# Altium PCB RUMBA32.PcbDoc (part 1 of 3)
Units mm, origin at the board's own origin, x right, y up, seen from the top; angles counter-clockwise.
Board outline 135 x 75 mm, 4 copper layers (Component Side, Ground Plane, Power Plane, Solder Side), stack 0.844 mm thick; 268 components, 214 nets, 1103 pads, 236 vias.
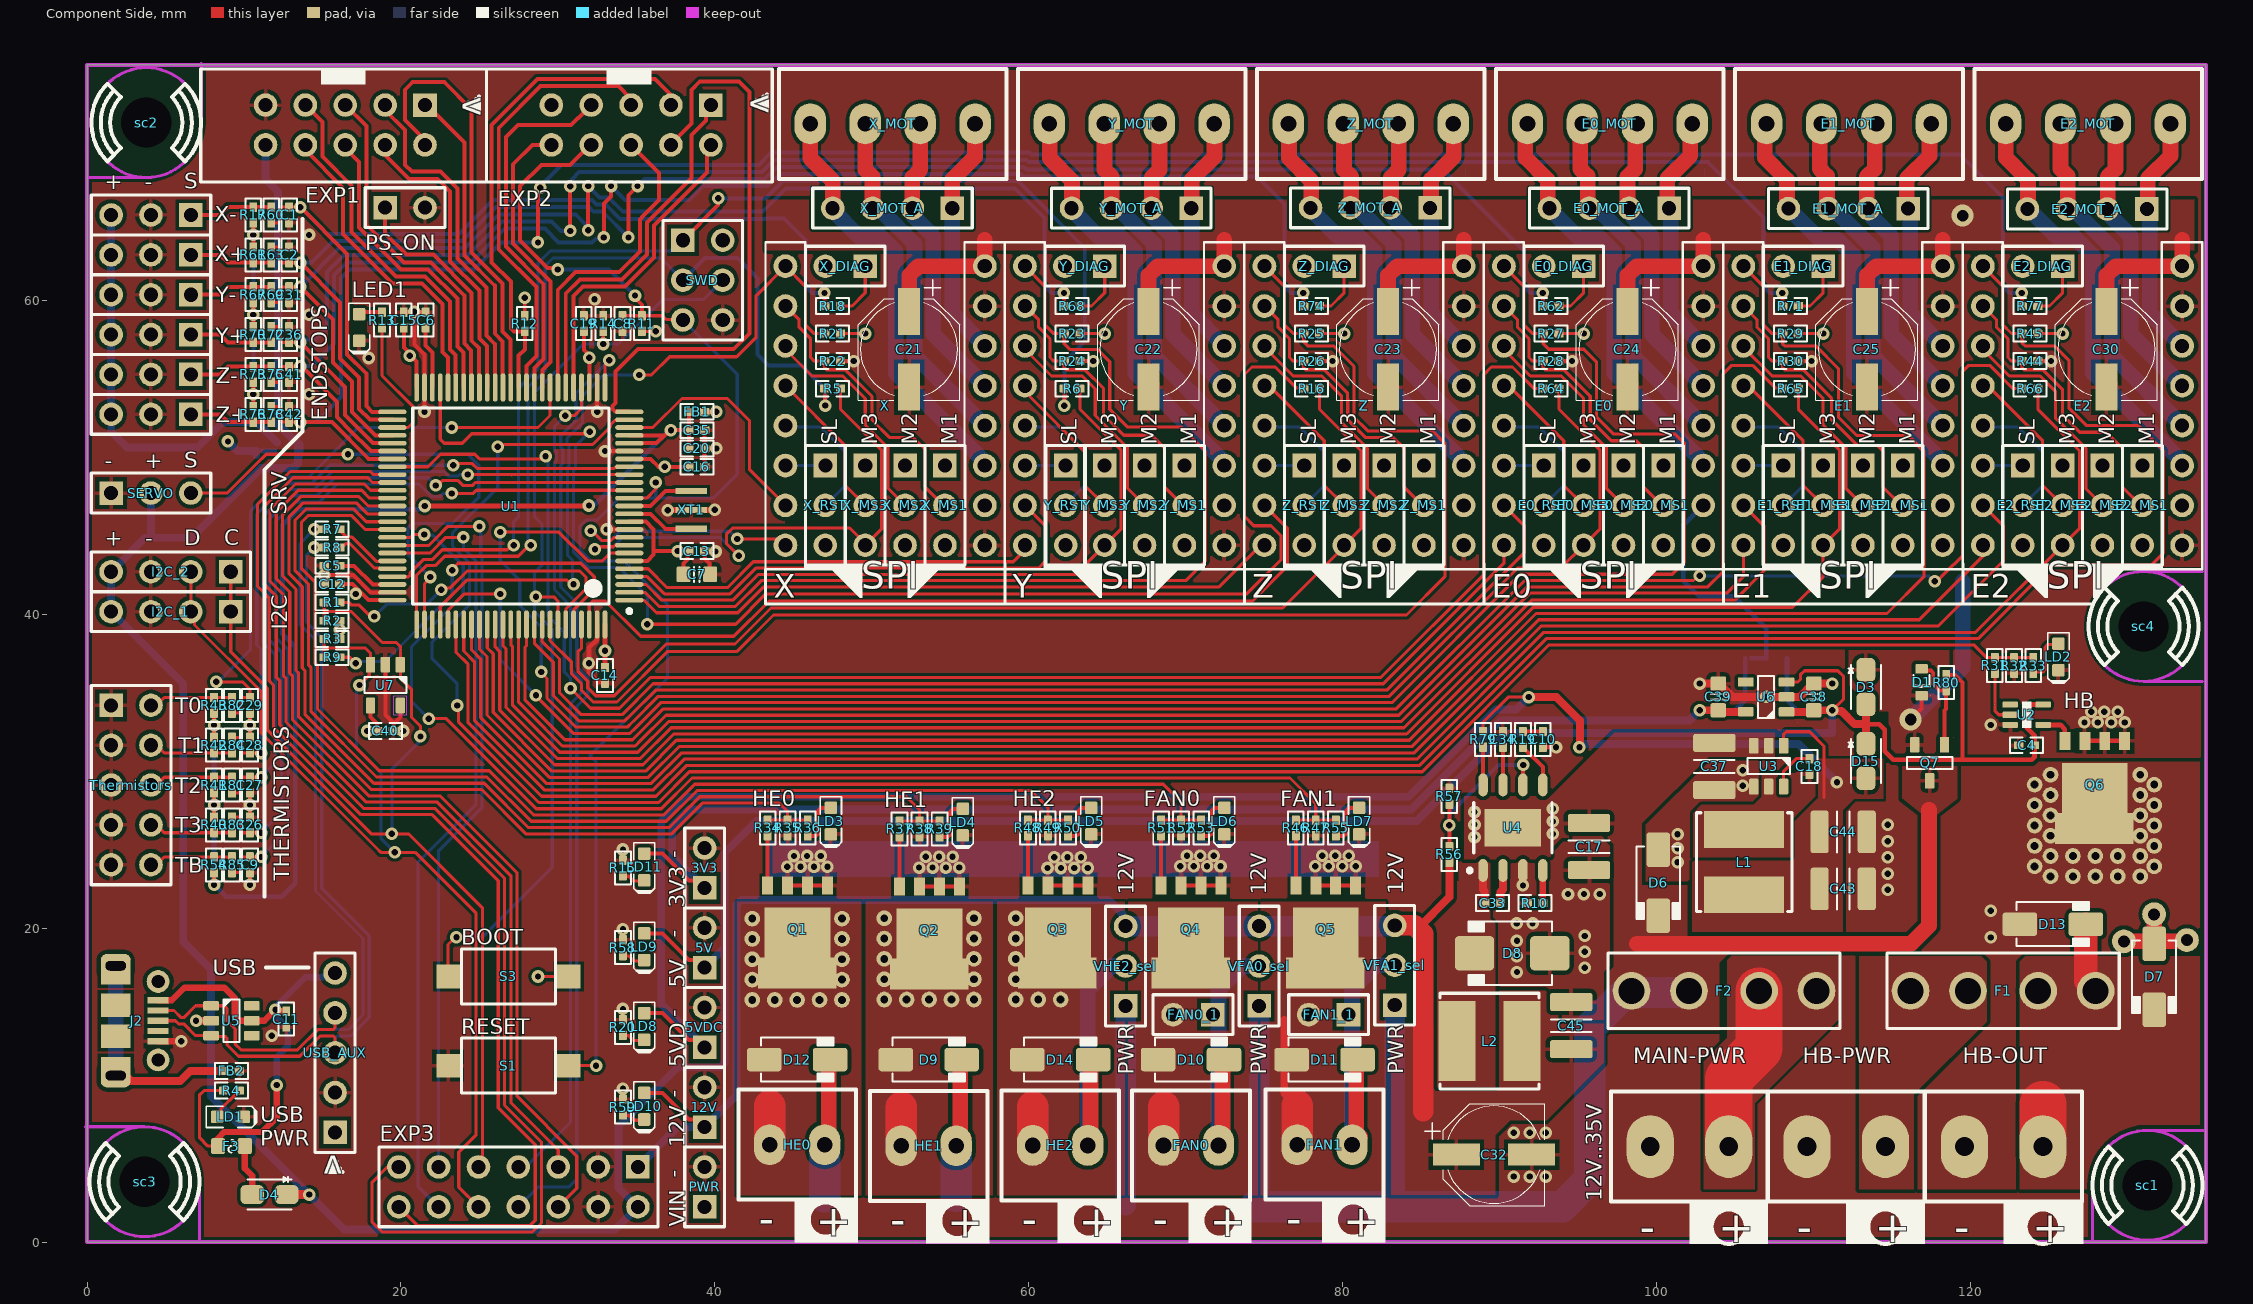
[diagram p0: Component Side view]
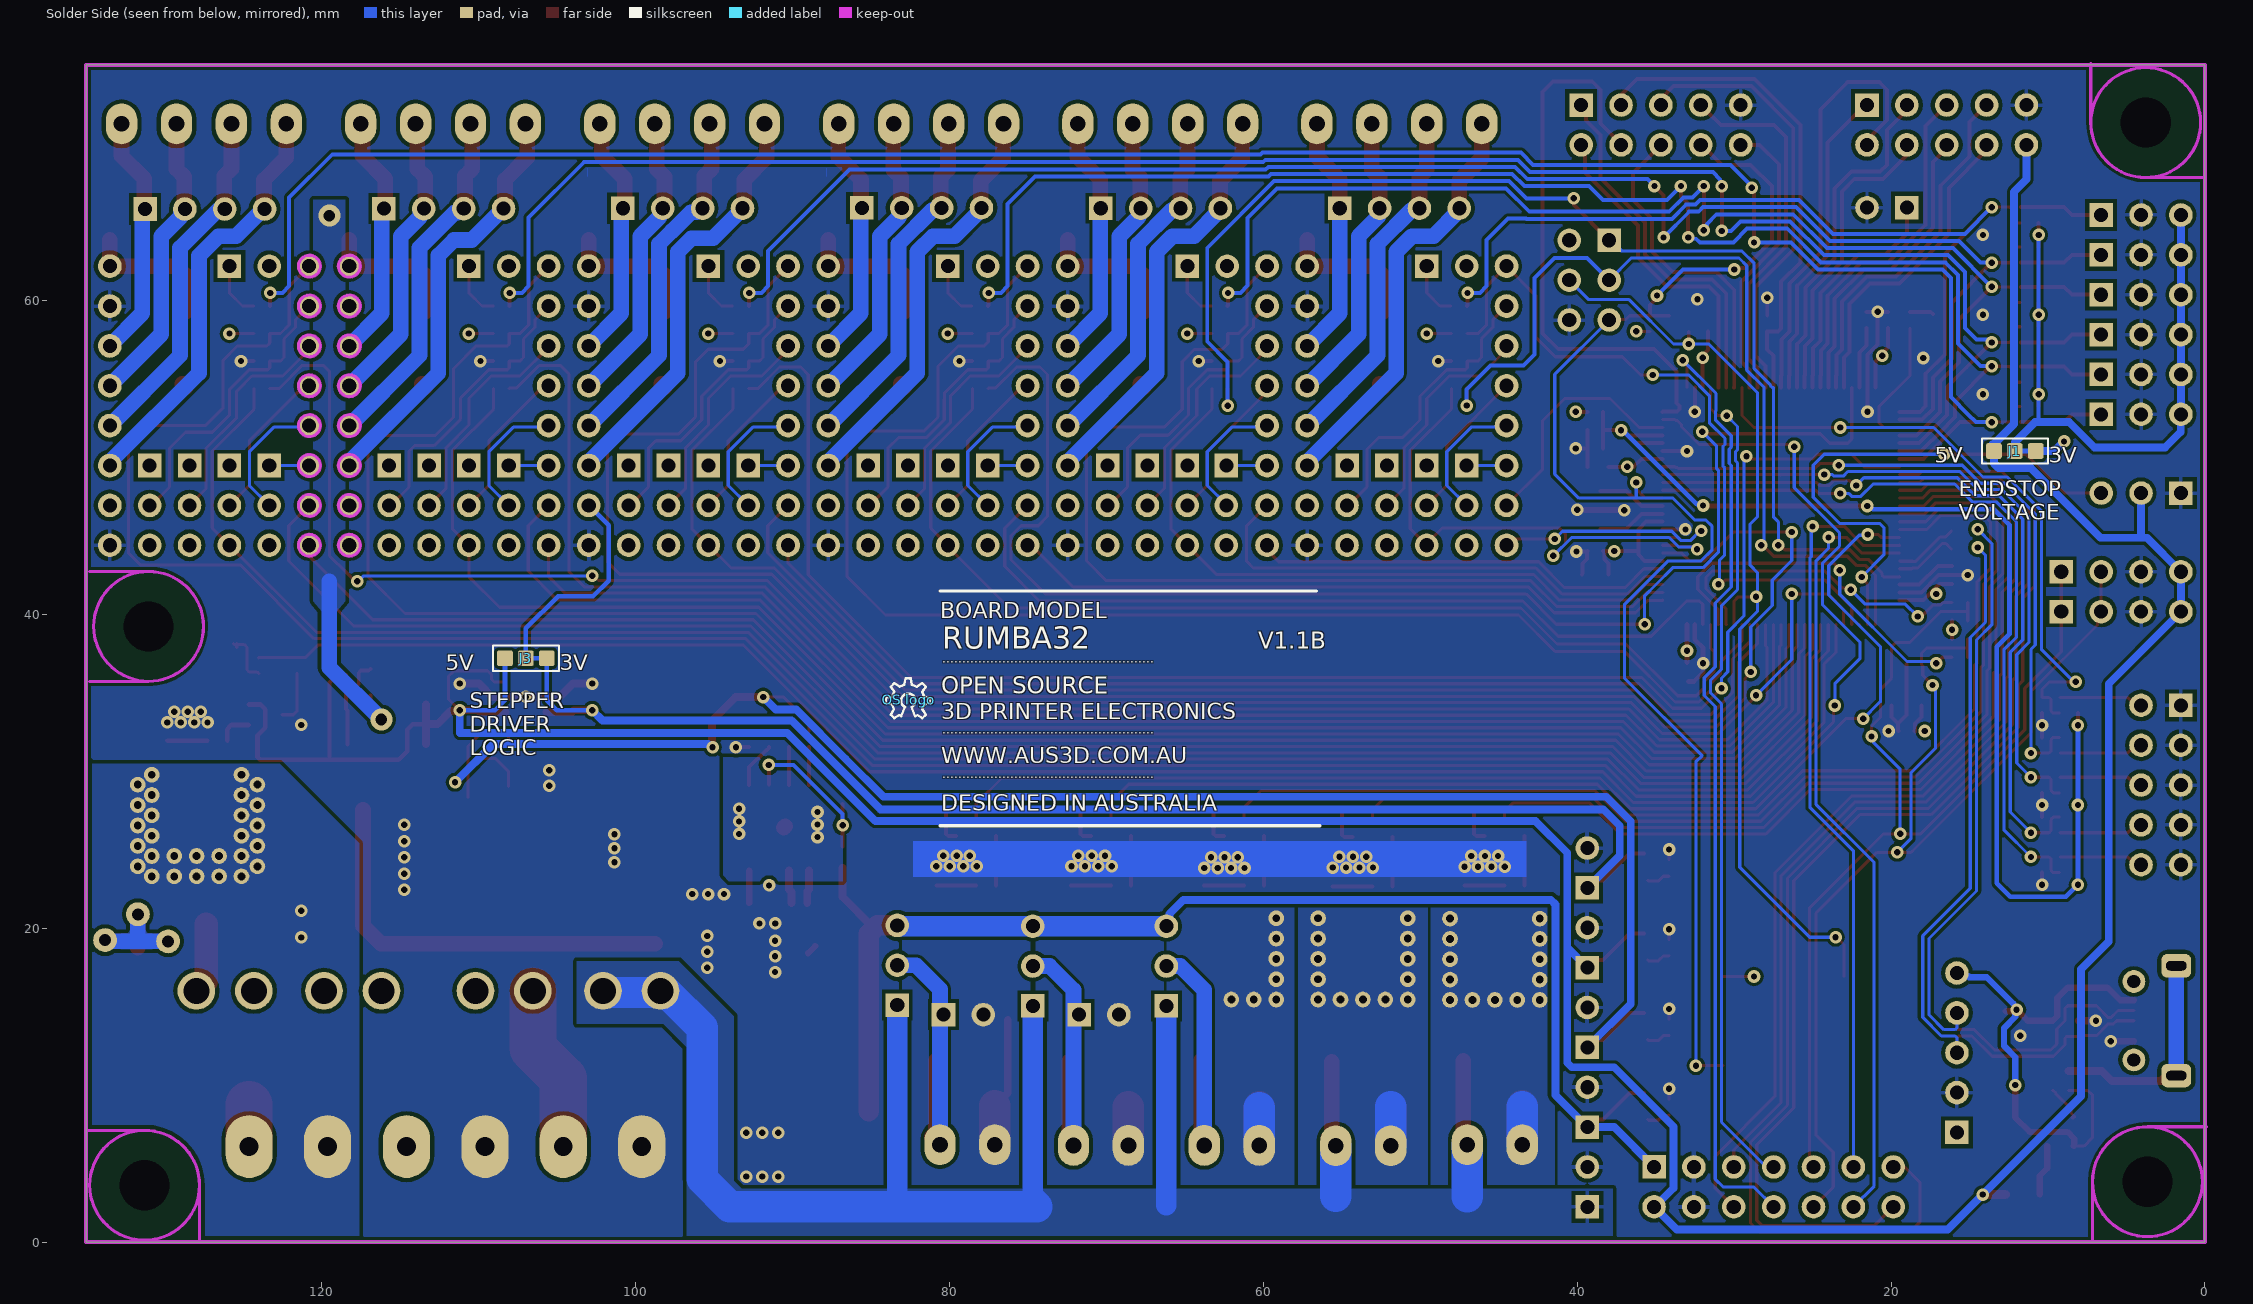
[diagram p1: Solder Side view, seen from below]
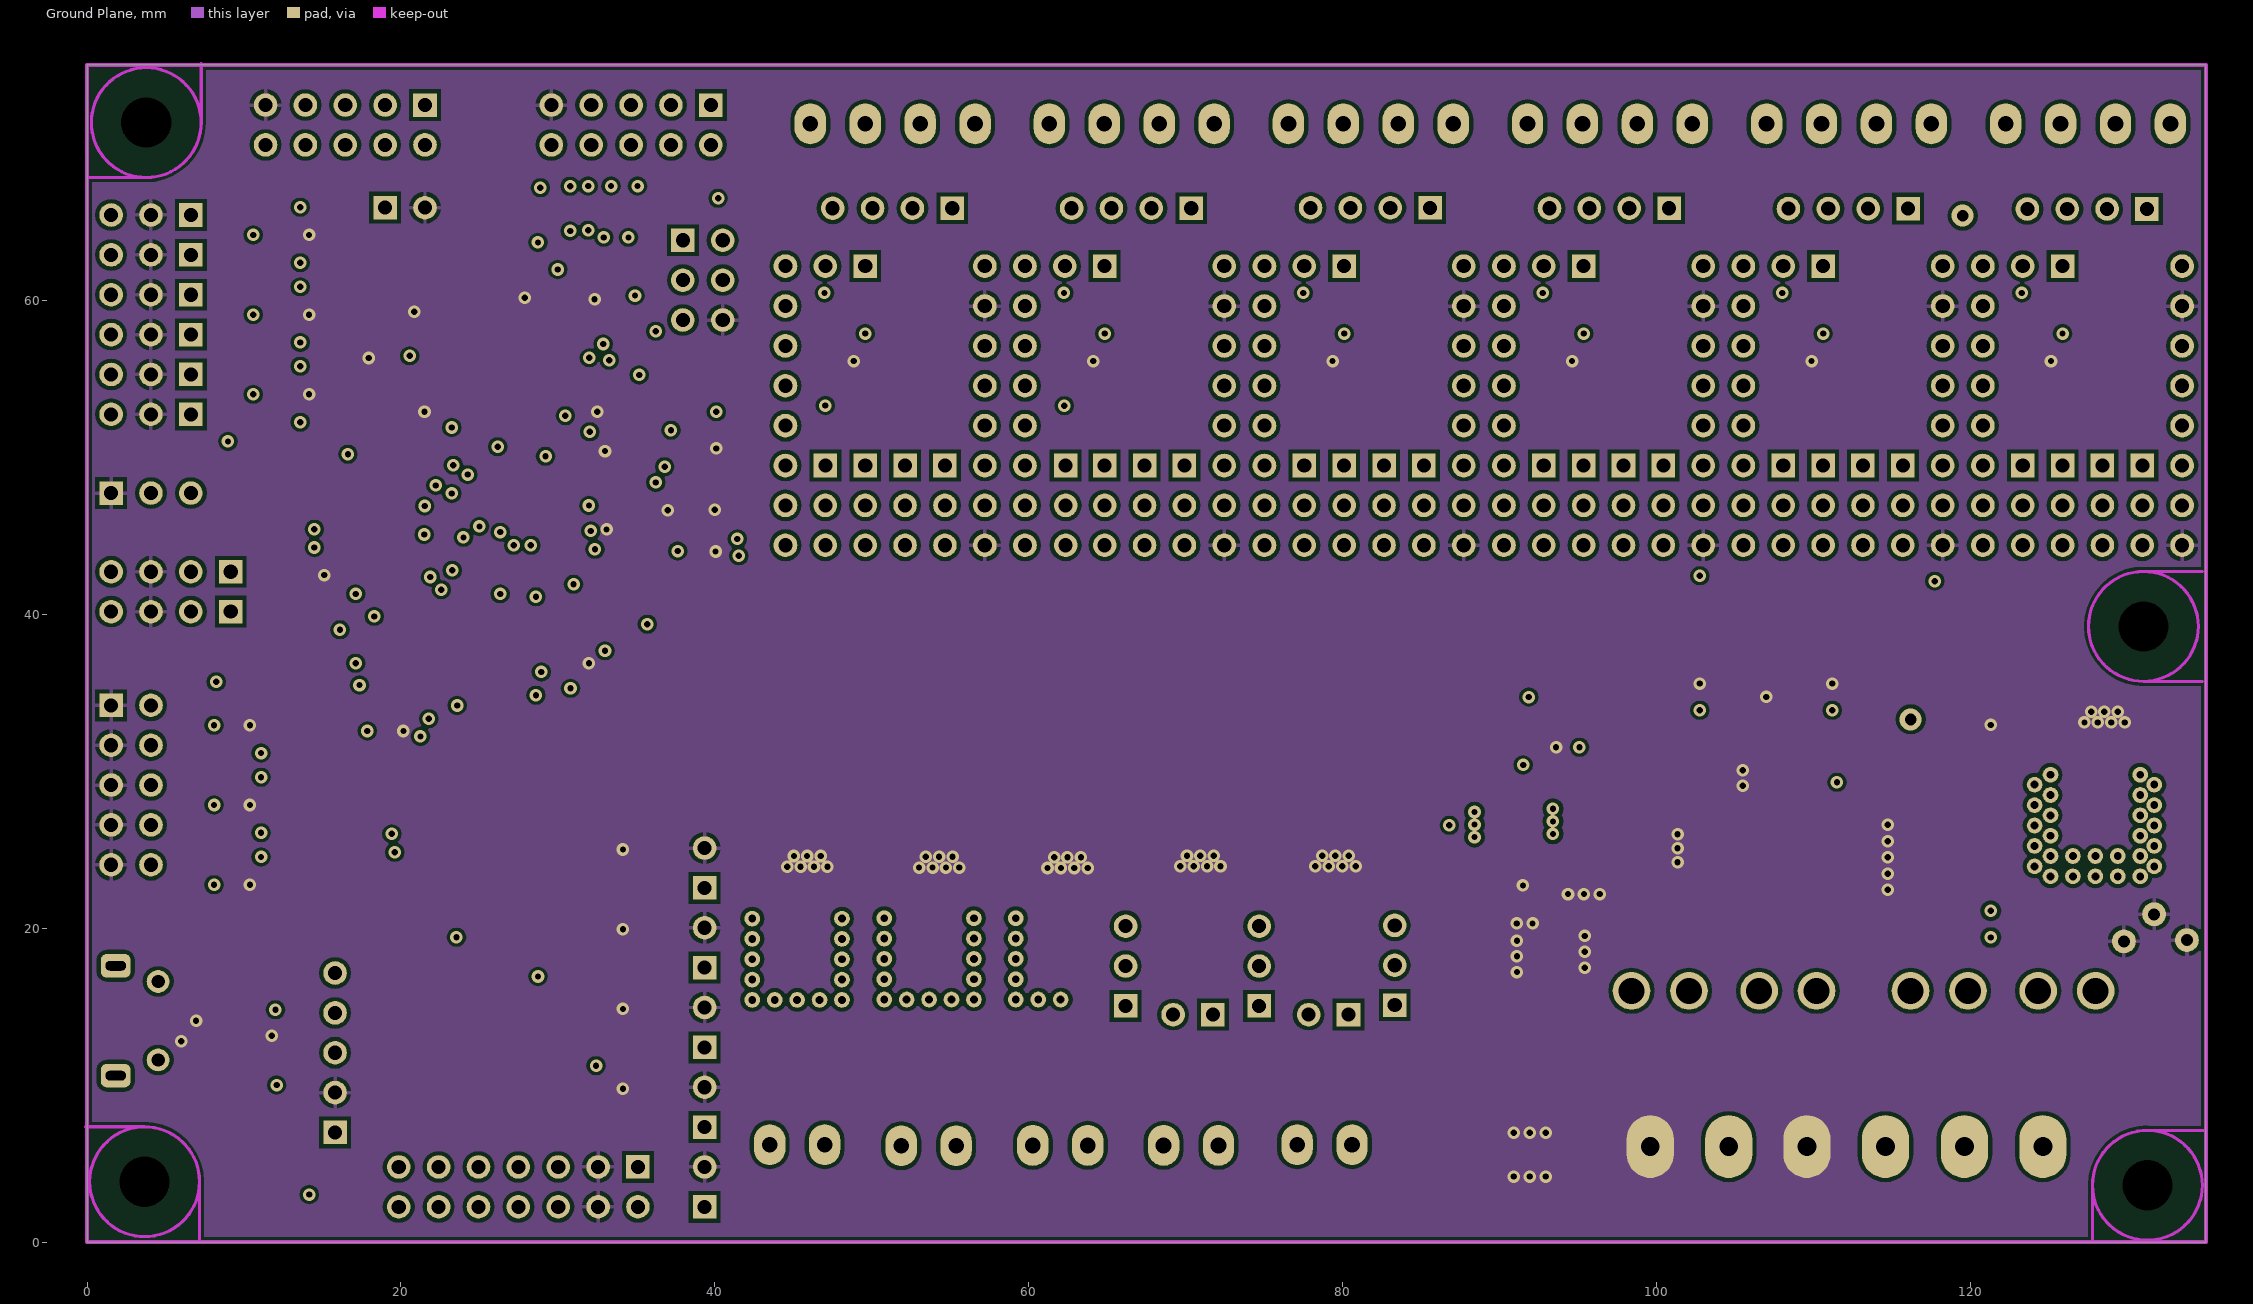
[diagram p2: Ground Plane]
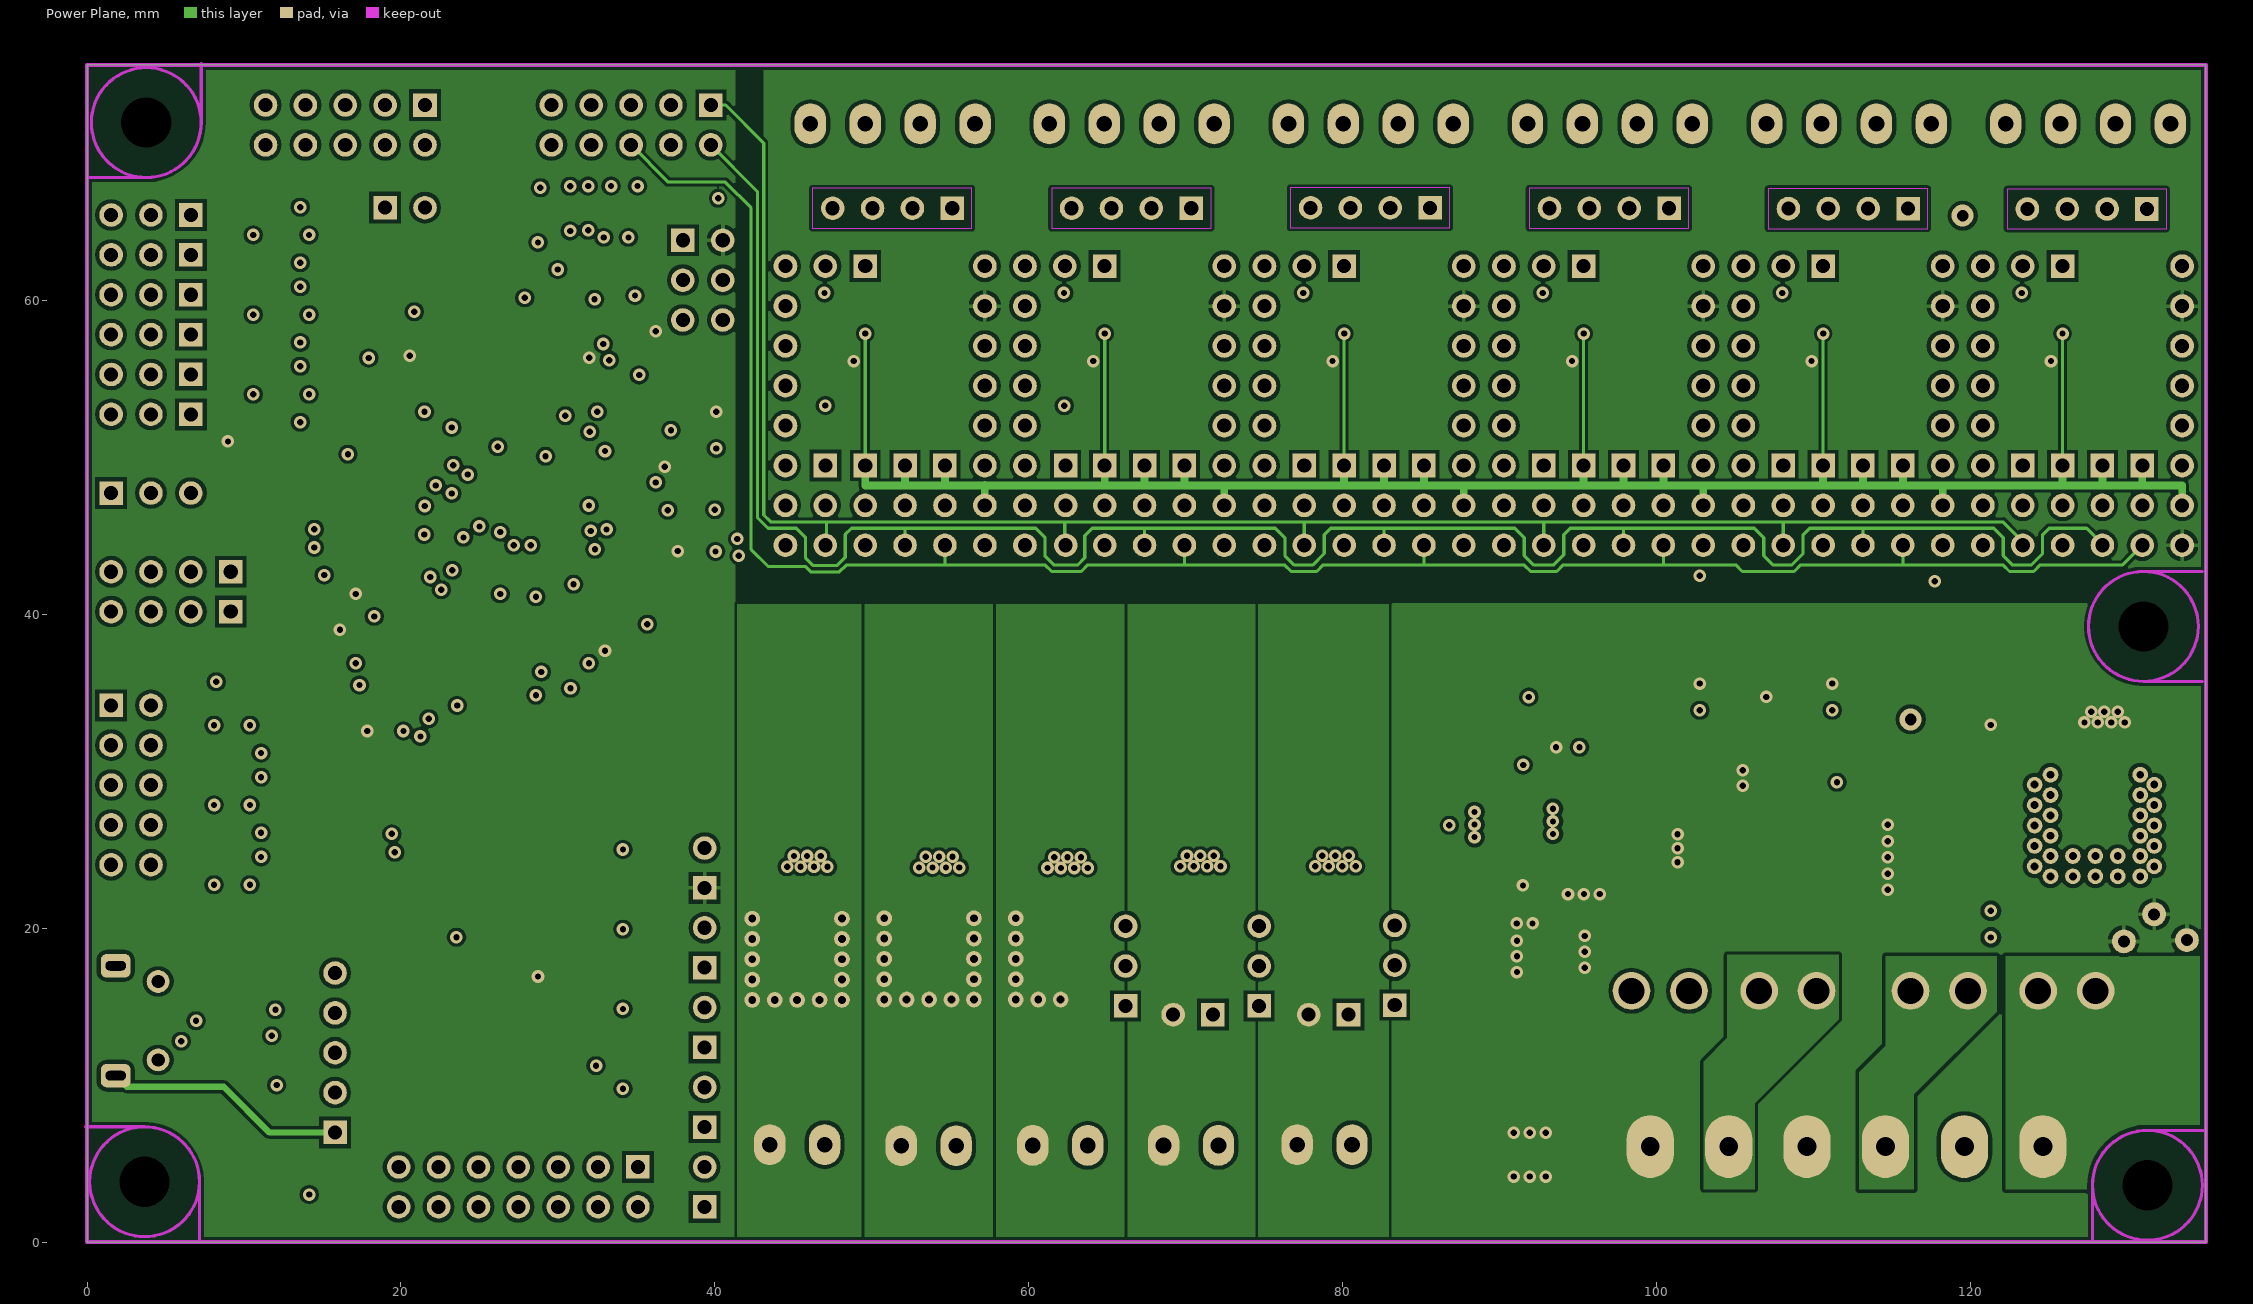
[diagram p3: Power Plane]

## Layer stack, top to bottom
Top Solder: solder mask 0.0102, Solder Resist, Dk 3.5
Component Side: signal copper 0.0356
Dielectric 1: core 0.32, FR-4, Dk 4.8
Ground Plane: signal copper 0.036
Dielectric 3: prepreg 0.127, Dk 4.2
Power Plane: signal copper 0.036
Dielectric 4: core 0.254, Dk 4.2
Solder Side: signal copper 0.0356
Bottom Solder: solder mask 0.0102, Solder Resist, Dk 3.5

## Board outline
0,0 0,75 135,75 135,0

## Design rules (kind name [scope] priority, off if disabled: settings)
AssemblyTestPointUsage [All] p1 off:
AssemblyTestpoint [All] p1 off: testpointundercomponent=TRUE minsize=1.016 maxsize=2.54 preferedsize=1.524 minholesize=0 maxholesize=1.016 preferedholesize=0.813 testpointgrid=0.025 usegrid=TRUE gridtolerance=0 allowsidetop=TRUE allowsidebottom=TRUE
Clearance Clearance_1 [InNet('VIN1') OR InNet('VIN2') OR InNet('VIN') OR InNet('+12V') OR InNet('NetF2_0') OR InNet('NetF1_0') OR InNet('NetD13_A') OR InNet('VMOT')] p1: gap=0.25 ignorepadtopadclearanceinfootprint=FALSE
Clearance [All] p2: gap=0.2 ignorepadtopadclearanceinfootprint=FALSE except(0: Arc-Hole Track-Hole SMDPad-Hole THPad-Hole Via-Hole Fill-Hole Poly-Hole Region-Hole Text-Hole; 0.25: THPad-Fill THPad-Poly THPad-Region)
ComponentClearance [All] p1: gap=0.2 collisioncheckmode=3 verticalgap=0.25 showdistances=FALSE
DiffPairsRouting [All] p1: maxlimit=1 minlimit=0.2 mostfreqgap=0.2 toplayer_minwidth=0.2 toplayer_maxwidth=0.2 toplayer_prefwidth=0.2 midlayer1_minwidth=0.2 midlayer1_maxwidth=0.2 midlayer1_prefwidth=0.2 midlayer2_minwidth=0.2 midlayer2_maxwidth=0.2 midlayer2_prefwidth=0.2 bottomlayer_minwidth=0.2 bottomlayer_maxwidth=0.2 bottomlayer_prefwidth=0.2 maxuncoupledlength=12.7
FabricationTestPointUsage [All] p1 off: valid=0 allowmultiple=FALSE
FabricationTestpoint [All] p1 off: side=3 testpointundercomponent=TRUE minsize=1.016 maxsize=2.54 preferedsize=1.524 minholesize=0 maxholesize=1.016 preferedholesize=0.813 testpointgrid=0.025 allowsidetop=TRUE allowsidebottom=TRUE usegrid=TRUE gridtolerance=0
HoleSize [All] p1: absolutevalues=TRUE maxlimit=4 minlimit=0.025 maxpercent=80.000 minpercent=20.000
MinimumSolderMaskSliver [All] p1: minsoldermaskwidth=0
NetAntennae [All] p1 off: netantennaetolerance=0
PolygonConnect PolygonConnect_Via [All vs IsVia] p1: connectstyle=Direct reliefconductorwidth=0.254 reliefentries=4 polygonreliefangle="90 Angle" airgapwidth=0.254
PolygonConnect PolygonConnect_Specific [All vs IsPad AND ( InNet('HE_0') OR InNet('NetD9_A') OR InNet('NetD10_A') OR InNet('NetD11_A') OR InNet('NetD12_A') OR InNet('NetD13_A') OR InNet('NetD14_A') OR InNet('VIN2') OR InNet('NetC33_2') OR InNet('NetF1_0') OR InNet('NetF2_0') )] p2: connectstyle=Direct reliefconductorwidth=0.254 reliefentries=4 polygonreliefangle="90 Angle" airgapwidth=0.254
PolygonConnect PolygonConnect_Specific_1 [All vs IsPad AND ( InComponent('HB-PWR') OR InComponent('MAIN-PWR') OR InComponent('HB-OUT') OR InComponent('IC4') OR InComponent('U1') OR InComponent('L2') OR InComponent('D5') OR InComponent('D6') OR InComponent('U4') OR InComponent('L1') OR InComponent('U3') OR InComponent('F1') OR InComponent('F2') OR InComponent('C37')OR InComponent('C43') OR InComponent('C44') )] p3: connectstyle=Direct reliefconductorwidth=0.254 reliefentries=4 polygonreliefangle="90 Angle" airgapwidth=0.254
PolygonConnect [All] p4: connectstyle=Relief reliefconductorwidth=0.254 reliefentries=4 polygonreliefangle="90 Angle" airgapwidth=0.254
RoutingVias [All] p1: holewidth=0.4 width=0.8 viastyle="Through Hole" minholewidth=0.35 minwidth=0.7 maxholewidth=1 maxwidth=1.5
SilkToSilkClearance [All] p1: silktosilkclearance=0.1
SilkToSolderMaskClearance SilkscreenOverComponentPads [IsPad] p1: minsilkscreentomaskgap=0 clearancetoexposedcopper=TRUE
SolderMaskExpansion [All] p1: expansion=0.102 istentingtop=FALSE
Width Width_1 [All] p1: maxlimit=3 minlimit=0.2 preferedwidth=0.254 minimp=50.000000 maximp=50.000000 favimp=50.000000
19 further rules are at their usual default settings.

## Classes and differential pairs
differential pair USB: +USB_P -USB_N
differential pair USB_D: +USB_D_P -USB_D_N

## Components (designator, comment, footprint, x,y, rotation, side; value= is the part's Value field where it differs from the comment)
3V3 "Header 2" HDR1X2-HEADER 39.348,22.563 r90 top
5V "Header 2" HDR1X2-HEADER 39.348,17.483 r90 top
5VDC "Header 2" HDR1X2-HEADER 39.348,12.403 r90 top
12V "Header 2" HDR1X2-HEADER 39.348,7.323 r90 top
C1 "Capacitor" CAPC1005X55N 12.877,65.438 r90 top value=2.2nF
C2 "Capacitor" CAPC1005X55N 12.876,62.898 r270 top value=2.2nF
C4 "Capacitor" "CAP 1005-0402" 123.58,31.656 r0 top value=1µF
C5 "Capacitor" "CAP 1005-0402" 15.612,43.085 r0 top value=4.7µF
C6 "Capacitor" "CAP 1005-0402" 21.572,58.746 r270 top value=4.7µF
C7 "Capacitor" CAPC1608X90N 38.849,42.541 r180 top value=10µF
C8 "Capacitor" "CAP 1005-0402" 34.117,58.522 r90 top value=0.1µF
C9 "Capacitor" CAPC1005X55N 10.378,24.036 r90 top value=1µF
C10 "Capacitor" "CAP 1005-0402" 92.755,32.026 r270 top value=0.1µF
C11 "Capacitor" "CAP 1005-0402" 12.692,14.2 r90 top value=0.1µF
C12 "Capacitor" CAPC1005X55N 15.612,41.92 r0 top value=4.7µF
C13 "Capacitor" "CAP 1005-0402" 38.849,44.023 r180 top value=0.1µF
C14 "Capacitor" "CAP 1005-0402" 32.999,36.106 r90 top value=0.1µF
C15 "Capacitor" "CAP 1005-0402" 20.182,58.746 r270 top value=0.1µF
C16 "Capacitor" "CAP 1005-0402" 38.849,49.396 r180 top value=0.1µF
C17 "Capacitor" CAPC3225X220N 95.699,25.196 r90 top value=10µF
C18 "Capacitor" "CAP 1005-0402" 109.742,30.299 r90 top value=0.1µF
C19 "Capacitor" "CAP 1005-0402" 31.651,58.522 r270 top value=0.1µF
C20 "Capacitor" "CAP 1005-0402" 38.849,50.563 r180 top value=0.1µF
C21 "" "CAP EL PANASONIC" 52.374,54.425 r0 top value=100uF
C22 "" "CAP EL PANASONIC" 67.632,54.425 r0 top value=100uF
C23 "" "CAP EL PANASONIC" 82.89,54.425 r0 top value=100uF
C24 "" "CAP EL PANASONIC" 98.149,54.425 r0 top value=100uF
C25 "" "CAP EL PANASONIC" 113.407,54.425 r0 top value=100uF
C26 "Capacitor" CAPC1005X55N 10.378,26.576 r270 top value=1µF
C27 "Capacitor" CAPC1005X55N 10.378,29.116 r90 top value=1µF
C28 "Capacitor" CAPC1005X55N 10.378,31.656 r270 top value=1µF
C29 "Capacitor" CAPC1005X55N 10.378,34.196 r90 top value=1µF
C30 "" "CAP EL PANASONIC" 128.665,54.425 r0 top value=100uF
C31 "Capacitor" CAPC1005X55N 12.877,60.358 r90 top value=2.2nF
C32 "" "CAP EL PANASONIC" 92.095,5.57 r90 top value=100uF
C33 "Capacitor" "CAP 1005-0402" 89.557,21.596 r180 top value=0.1µF
C34 "Capacitor" "CAP 1005-0402" 90.215,32.026 r270 top value=0.1µF
C35 "Capacitor" "CAP 1005-0402" 38.849,51.73 r180 top value=4.7µF
C36 "Capacitor" CAPC1005X55N 12.876,57.818 r270 top value=2.2nF
C37 "Capacitor" CAPC3225X220N 103.681,30.299 r90 top value=10µF
C38 "Capacitor" CAPC1608X90N 110.017,34.732 r270 top value=10µF
C39 "Capacitor" CAPC1608X90N 103.935,34.732 r270 top value=10µF
C40 "Capacitor" "CAP 1005-0402" 19.009,32.56 r180 top value=0.1µF
C41 "Capacitor" CAPC1005X55N 12.877,55.278 r90 top value=2.2nF
C42 "Capacitor" CAPC1005X55N 12.876,52.738 r270 top value=2.2nF
C43 "Capacitor" CAPC3225X220N 111.892,22.501 r180 top value=22µF
C44 "Capacitor" CAPC3225X220N 111.892,26.131 r180 top value=22µF
C45 "Capacitor" CAPC3225X220N 94.564,13.789 r270 top value=10µF
D1 "Zener 10V 150mW SOD523" SOD523 116.889,35.664 r90 top
D3 "" DIOM2616X08N 113.345,35.357 r270 top value="40V 2A"
D4 "" DIOM2616X08N 11.62,3.026 r180 top value="40V 2A"
D6 "" DO-214AC 100.107,22.896 r270 top value="1.5A 100V"
D7 "" DO-214AC 131.707,16.9 r270 top value="1.5A 100V"
D8 "" DO-214AA 90.8,18.4 r180 top value="40V 4A"
D9 "" DO-214AC 53.626,11.627 r0 top value="1.5A 100V"
D10 "" DO-214AC 70.339,11.627 r0 top value="1.5A 100V"
D11 "" DO-214AC 78.848,11.627 r0 top value="1.5A 100V"
D12 "" DO-214AC 45.244,11.627 r0 top value="1.5A 100V"
D13 "" DO-214AC 125.25,20.254 r0 top value="1.5A 100V"
D14 "" DO-214AC 62.008,11.627 r0 top value="1.5A 100V"
D15 "" DIOM2616X08N 113.345,30.641 r270 top value="40V 2A"
E0 "Header 8" A4988BREAKOUT_2 90.274,62.176 r270 top locked
E0_DIAG "Header 2" "HDR1X2-HEADER Female" 95.354,62.176 r180 top
E0_MOT "" "TERM4 3.5MM" 91.778,71.244 r0 top locked
E0_MOT_A "Header 4" HDR1X4 100.799,65.87 r180 top
E0_MS1 "Header 3" HDR1X3-HEADER 100.434,49.476 r270 top locked
E0_MS2 "Header 3" HDR1X3-HEADER 97.894,49.476 r270 top locked
E0_MS3 "Header 3" HDR1X3-HEADER 95.354,49.476 r270 top locked
E0_RST "Header 3" HDR1X3-HEADER 92.814,49.476 r270 top locked
E1 "Header 8" A4988BREAKOUT_2 105.532,62.176 r270 top locked
E1_DIAG "Header 2" "HDR1X2-HEADER Female" 110.612,62.176 r180 top
E1_MOT "" "TERM4 3.5MM" 107.011,71.244 r0 top locked
E1_MOT_A "Header 4" HDR1X4 116.023,65.844 r180 top
E1_MS1 "Header 3" HDR1X3-HEADER 115.692,49.476 r270 top locked
E1_MS2 "Header 3" HDR1X3-HEADER 113.152,49.476 r270 top locked
E1_MS3 "Header 3" HDR1X3-HEADER 110.612,49.476 r270 top locked
E1_RST "Header 3" HDR1X3-HEADER 108.072,49.476 r270 top
E2 "Header 8" A4988BREAKOUT_2 120.791,62.176 r270 top locked
E2_DIAG "Header 2" "HDR1X2-HEADER Female" 125.871,62.176 r180 top
E2_MOT "" "TERM4 3.5MM" 122.243,71.244 r0 top locked
E2_MOT_A "Header 4" HDR1X4 131.248,65.819 r180 top
E2_MS1 "Header 3" HDR1X3-HEADER 130.951,49.476 r270 top locked
E2_MS2 "Header 3" HDR1X3-HEADER 128.411,49.476 r270 top locked
E2_MS3 "Header 3" HDR1X3-HEADER 125.871,49.476 r270 top locked
E2_RST "Header 3" HDR1X3-HEADER 123.331,49.476 r270 top locked
EXP1 "Header 5X2" "HDR2X5_EXP INER ONLY\" 25.535,74.746 r180 top locked
EXP2 "Header 5X2" "HDR2X5_EXP INER ONLY\" 43.746,74.746 r180 top locked
EXP3 "Header 7X2" HDR2X7 35.099,4.783 r180 top
F1 "" "FUSEHOLDER - BK-6013 - MINI ATC ATO BLADE 15A" 122.08,16.004 r0 top
F2 "" "FUSEHOLDER - BK-6013 - MINI ATC ATO BLADE 15A" 104.3,16.004 r0 top
F3 "" "FUSE 1608-0603" 9.2,6.114 r0 top value=200mA
FAN0 "" "TERM2 3.5MM" 72.089,6.154 r180 top
FAN0_1 "Header 2" HDR1X2 71.737,14.488 r180 top
FAN1 "" "TERM2 3.5MM" 80.598,6.205 r180 top
FAN1_1 "Header 2" HDR1X2 80.374,14.488 r180 top
FB1 "Ferrite Bead SMD 0402" RESC1005X40N 38.849,52.896 r0 top
FB2 "Ferrite Bead SMD 0402" RESC1005X40N 9.2,10.9 r0 top
HB-OUT "" "TERM2 5MM" 119.616,6.078 r0 top
HB-PWR "" "TERM2 5MM" 109.583,6.078 r0 top
HE0 "" "TERM2 3.5MM" 46.994,6.205 r180 top
HE1 "" "TERM2 3.5MM" 55.376,6.129 r180 top
HE2 "" "TERM2 3.5MM" 63.758,6.154 r180 top
I2C_1 "Header 4" HDR1X4-HEADER 9.152,40.165 r180 top
I2C_2 "Header 4" HDR1X4-HEADER 9.152,42.705 r180 top
J1 "Jumper" "Jump_3Way - SMALL" 12.113,50.4 r0 bottom
J2 "" "Micro-USB B Molex 105017-0001" 4.525,14.1 r270 top
J3 "Jumper" "Jump_3Way - SMALL" 106.983,37.196 r0 bottom
L1 "" "SRN6045TA SMD Inductor" 105.586,24.203 r0 top value=4.7uH
L2 "" "SRN6045TA SMD Inductor" 89.357,12.8 r90 top value=4.7uH
LD1 "" "LED 1608-0603" 9.138,7.971 r0 top
LD2 "" "LED 1608-0603" 125.607,37.276 r270 top
LD3 "" "LED 1608-0603" 47.393,26.818 r270 top
LD4 "" "LED 1608-0603" 55.798,26.755 r270 top
LD5 "" "LED 1608-0603" 63.978,26.818 r270 top
LD6 "" "LED 1608-0603" 72.461,26.818 r270 top
LD7 "" "LED 1608-0603" 81.046,26.818 r270 top
LD8 "" "LED 1608-0603" 35.498,13.735 r270 top
LD9 "" "LED 1608-0603" 35.498,18.815 r270 top
LD10 "" "LED 1608-0603" 35.498,8.655 r270 top
LD11 "" "LED 1608-0603" 35.498,23.895 r270 top
LED1 "" "LED 1608-0603" 17.336,58.269 r270 top
MAIN-PWR "" "TERM2 5MM" 99.601,6.078 r0 top
"OS logo" "Logo" "OS LOGO TOP" 82.586,34.544 r180 bottom
PS_ON "Header 2" HDR1X2-HEADER 18.991,65.904 r0 top